# Altium PCB STM32H743XIH6_SOM_Bd.PcbDoc (part 1 of 3) (continued)
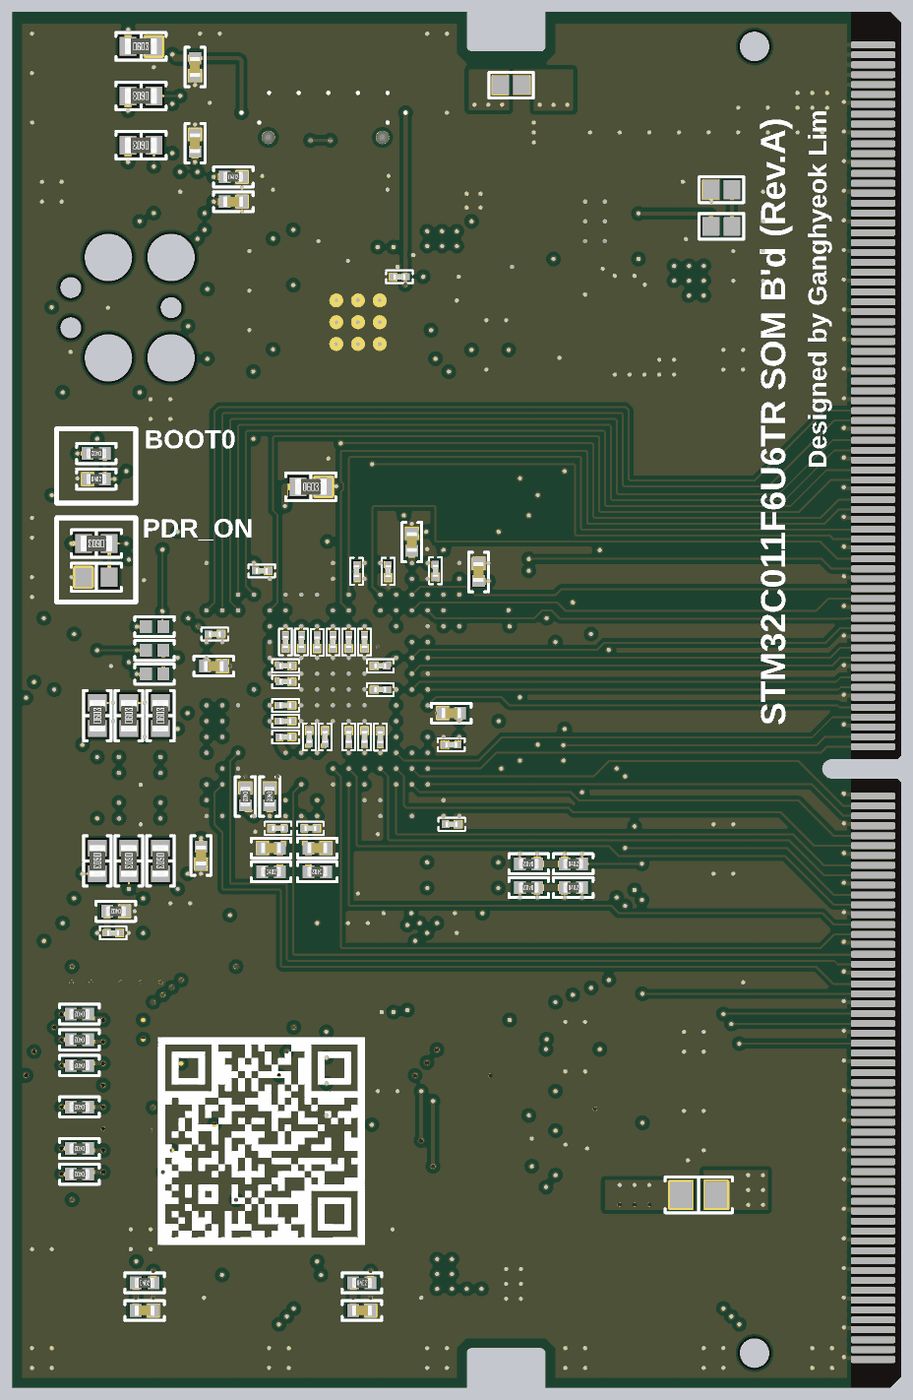
[diagram p11: 3D render of the assembled board from below, using the file's embedded part models]

## Layer stack, top to bottom
Top Mask: solder mask 0.015, Solder Resist, Dk 3.8
L1 (Sig): signal copper 0.035
Dielectric 1: prepreg 0.0994, 3313, Dk 4.1
L2 (GND): signal copper 0.0152
Core 1: core 0.2, FR-4, Dk 4.6
L3 (PWR): signal copper 0.0152
Dielectric 2: prepreg 0.1088, 2116, Dk 4.16
L4 (Sig): signal copper 0.0152
Core 2: core 0.2, FR-4, Dk 4.6
L5 (GND): signal copper 0.0152
Dielectric 3: prepreg 0.1088, 2116, Dk 4.16
L6 (Sig): signal copper 0.0152
Core 3: core 0.2, FR-4, Dk 4.6
L7 (GND): signal copper 0.0152
Dielectric 4: prepreg 0.0994, 3313, Dk 4.1
L8 (Sig): signal copper 0.035
Bottom Mask: solder mask 0.015, Solder Resist, Dk 3.8

## Board outline
0,0.55 0.55,0 18,0 18,1.755 cw(c18.25,1.755) 18.25,2.005 21.75,2.005 cw(c21.75,1.755) 22,1.755 22,0 45,0 45,69.6 22,69.6 22,67.85 cw(c21.75,67.85) 21.75,67.6 18.25,67.6 cw(c18.25,67.85) 18,67.85 18,69.6 0.55,69.6 0,69.05 0,31.975 0.175,31.8 3.5,31.8 cw(c3.5,31.3) 3.5,30.8 0.175,30.8 0,30.625

## Design rules (kind name [scope] priority, off if disabled: settings)
BoardOutlineClearance [All] p1: gap=0.2 ignorepadtopadclearanceinfootprint=FALSE except(0.4: Arc-SplitBarrior Arc-SplitContinuation Track-SplitBarrior Track-SplitContinuation SMDPad-SplitBarrior SMDPad-SplitContinuation THPad-SplitBarrior THPad-SplitContinuation Via-SplitBarrior Via-SplitContinuation Fill-SplitBarrior Fill-SplitContinuation Poly-SplitBarrior Poly-SplitContinuation Region-SplitBarrior Region-SplitContinuation Text-SplitBarrior Text-SplitContinuation)
Clearance "Clearance Bottom Layer" [OnLayer('Bottom Layer')] p1: gap=0.203 ignorepadtopadclearanceinfootprint=TRUE except(0.254: Arc-Text Track-Text SMDPad-Text THPad-Text Via-Text Fill-Text Poly-Text Region-Text Text-Text)
Clearance "Clearance Top Layer" [OnLayer('Top Layer')] p2: gap=0.203 ignorepadtopadclearanceinfootprint=TRUE except(0.254: Arc-Text Track-Text SMDPad-Text THPad-Text Via-Text Fill-Text Poly-Text Region-Text Text-Text)
Clearance [All] p3: gap=0.2 ignorepadtopadclearanceinfootprint=FALSE except(0.089: Arc-Arc Arc-Track Arc-SMDPad Track-Track Track-SMDPad SMDPad-SMDPad; 0.127: Arc-Via Track-Via SMDPad-Via THPad-Via Via-Via; 0.254: Arc-Text Track-Text SMDPad-Text THPad-Text Via-Text Fill-Text Poly-Text Region-Text Text-Text)
ComponentClearance [InComponent('CN700')] p1: gap=0.254 collisioncheckmode=3 verticalgap=0.254 showdistances=FALSE donotcheckwithout3dbody=TRUE
DiffPairsRouting DIFF90 [InDifferentialPair('USB_D')] p1: maxlimit=0.5 minlimit=0.09 mostfreqgap=0.35 toplayer_minwidth=0.089 toplayer_maxwidth=0.5 toplayer_prefwidth=0.14 midlayer1_minwidth=0.089 midlayer1_maxwidth=0.5 midlayer1_prefwidth=0.14 midlayer2_minwidth=0.089 midlayer2_maxwidth=0.5 midlayer2_prefwidth=0.14 midlayer3_minwidth=0.089 midlayer3_maxwidth=0.5 midlayer3_prefwidth=0.14 midlayer4_minwidth=0.089 midlayer4_maxwidth=0.5 midlayer4_prefwidth=0.14 midlayer5_minwidth=0.089 midlayer5_maxwidth=0.5 midlayer5_prefwidth=0.14 midlayer6_minwidth=0.089 midlayer6_maxwidth=0.5 midlayer6_prefwidth=0.14 bottomlayer_minwidth=0.089 bottomlayer_maxwidth=0.5 bottomlayer_prefwidth=0.14 maxuncoupledlength=12.7
HoleSize [All] p1: absolutevalues=TRUE maxlimit=6.3 minlimit=0.2 maxpercent=80.000 minpercent=20.000
MinimumAnnularRing [All] p1: minimumring=0.076
MinimumSolderMaskSliver [All] p1: minsoldermaskwidth=0.1
PolygonConnect LDO2_VOUT [InNet('LDO2_VOUT')] p1: connectstyle=Direct reliefconductorwidth=0.254 reliefentries=4 polygonreliefangle="90 Angle" airgapwidth=0.254
PolygonConnect LDO2_VIN [InNet('LDO2_VIN')] p2: connectstyle=Direct reliefconductorwidth=0.254 reliefentries=4 polygonreliefangle="90 Angle" airgapwidth=0.254
PolygonConnect DP3.3VS [InNet('DP3.3VS')] p3: connectstyle=Direct reliefconductorwidth=0.254 reliefentries=4 polygonreliefangle="90 Angle" airgapwidth=0.254
PolygonConnect DGND [InNet('DGND')] p4: connectstyle=Direct reliefconductorwidth=0.254 reliefentries=4 polygonreliefangle="90 Angle" airgapwidth=0.254
PolygonConnect LDO1_VOUT [InNet('LDO1_VOUT')] p5: connectstyle=Direct reliefconductorwidth=0.254 reliefentries=4 polygonreliefangle="90 Angle" airgapwidth=0.254
PolygonConnect LDO1_VIN [InNet('LDO1_VIN')] p6: connectstyle=Direct reliefconductorwidth=0.254 reliefentries=4 polygonreliefangle="90 Angle" airgapwidth=0.254
PolygonConnect DP5VS [InNet('DP5VS')] p7: connectstyle=Direct reliefconductorwidth=0.254 reliefentries=4 polygonreliefangle="90 Angle" airgapwidth=0.254
PolygonConnect EXT_P5VS [InNet('EXT_P5VS')] p8: connectstyle=Direct reliefconductorwidth=0.254 reliefentries=4 polygonreliefangle="90 Angle" airgapwidth=0.254
PolygonConnect P5VS_IN [InNet('P5VS_IN')] p9: connectstyle=Direct reliefconductorwidth=0.254 reliefentries=4 polygonreliefangle="90 Angle" airgapwidth=0.254
PolygonConnect PolygonConnect_Default [All] p10: thpad.connectstyle=Relief thpad.reliefconductorwidth=0.508 thpad.reliefentries=4 thpad.polygonreliefangle="90 Angle" thpad.airgapwidth=0.254 smdpad.connectstyle=Relief smdpad.reliefconductorwidth=0.508 smdpad.reliefentries=4 smdpad.polygonreliefangle="90 Angle" smdpad.airgapwidth=0.254 via.connectstyle=Direct via.reliefconductorwidth=0.508 via.reliefentries=4 via.polygonreliefangle="90 Angle" via.airgapwidth=0.254
RoutingCorners [All] p1: cornerstyle=Round minsetback=2.54 maxsetback=2.54
RoutingVias [All] p1: holewidth=0.2 width=0.35 viastyle="Through Hole" minholewidth=0.2 minwidth=0.25 maxholewidth=1 maxwidth=2
SilkToSilkClearance [All] p1: silktosilkclearance=0.1
SilkToSolderMaskClearance [IsPad] p1: minsilkscreentomaskgap=0.1 clearancetoexposedcopper=TRUE
SolderMaskExpansion [All] p1: expansion=0.102 istentingtop=FALSE
Width [All] p1: maxlimit=2.54 minlimit=0.089 preferedwidth=0.2
23 further rules are at their usual default settings.

## Classes and differential pairs
differential pair class DIFF90: USB_D
component class 07_Connector: C700 C701 C702 C703 CN700 R700 R701 R702 R703
component class 06_MCU_Part3: C600 C601 C602 C603 C604 C605 C606 C607 C608 C609 C610 C611 C612 C613 C614 C615 C616 C617 C618 C619 C620 C621 C622 C623 C624 C625 C626 C627 C628 C629 C630 C631 C632 C633 C634 C635 CN600 R600 R601 R602 R603 R604 R605 R606 R607 R608 R609 R610 R611 R612 R613 R614 R615 U601 ZD600
component class 05_MCU-Part2: C500 C501 C502 C503 C504 C505 CN500 LED500 LED501 LED502 R500 R501 R502 R503 R504 R505 R506 R507 R508 U501
component class 04_MCU-Part1: C400 C401 C402 C403 C404 C405 CN400 LED400 LED401 R400 R401 R402 R403 R404 R405 R406 R407 R408 R409 R410 R411 R412 R413 R414 R415 R416 SW400 SW401 U400 U401 X400 X401
component class 03_Power: C300 C301 C302 C303 C304 C305 C306 C307 C308 C309 C310 C311 C312 C313 C314 D300 LED300 R300 R301 R302 R303 R304 R305 R306 R307 SB300 SB301 SB302 U300 U301 U302
differential pair USB_D: +USB_D_P -USB_D_N

## Components (designator, comment, footprint, x,y, rotation, side; value= is the part's Value field where it differs from the comment)
C300 "22uF/25V/2012" "CAP 2012 (0805_INCH)" 20.45,63.5 r0 top
C301 "22uF/25V/2012" "CAP 2012 (0805_INCH)" 19.55,60 r180 top
C302 "10uF/10V/1608" "CAP 1608 (0603_INCH)" 24.25,8 r180 top
C303 "100nF/50V/1608" "CAP 1608 (0603_INCH)" 18.9,7.7 r90 top
C304 "100nF/50V/1608" "CAP 1608 (0603_INCH)" 12.1,11.5 r0 top
C305 "10uF/10V/1608" "CAP 1608 (0603_INCH)" 15.2,11.475 r180 top
C306 "100nF/16V/1005" "CAP 1005 (0402_INCH)" 11.05,60 r270 top
C307 "100nF/16V/1005" "CAP 1005 (0402_INCH)" 19.7,57.14 r90 top
C308 "100nF/16V/1005" "CAP 1005 (0402_INCH)" 16.163,56.64 r0 top
C309 "1uF/25V/1005" "CAP 1005 (0402_INCH)" 16.8,52.5 r90 top
C310 "1uF/25V/1005" "CAP 1005 (0402_INCH)" 16.8,54.8 r270 top
C311 "100nF/16V/1005" "CAP 1005 (0402_INCH)" 14.9,52 r0 top
C312 "100nF/16V/1005" "CAP 1005 (0402_INCH)" 14.86,55.3 r180 top
C313 "1uF/25V/1005" "CAP 1005 (0402_INCH)" 13,54.8 r270 top
C314 "1uF/25V/1005" "CAP 1005 (0402_INCH)" 13,52.5 r90 top
C400 "100nF/25V/0603" "CAP 0603 (0201_INCH)" 25.507,24.007 r0 top
C401 "100nF/25V/0603" "CAP 0603 (0201_INCH)" 21.867,24.007 r0 top
C402 "100nF/16V/1005" "CAP 1005 (0402_INCH)" 27.3,3.9 r0 bottom
C403 "100nF/16V/1005" "CAP 1005 (0402_INCH)" 38.3,3.9 r0 bottom
C404 "4.7uF/10V/1005" "CAP 1005 (0402_INCH)" 35.45,26.92 r90 bottom
C405 "100nF/25V/0603" "CAP 0603 (0201_INCH)" 26,18.6 r0 top
C500 "100nF/16V/1005" "CAP 1005 (0402_INCH)" 33.81,60 r0 bottom
C501 "4.7uF/10V/1005" "CAP 1005 (0402_INCH)" 35.75,66.81 r90 bottom
C502 "100nF/25V/0603" "CAP 0603 (0201_INCH)" 25.4,56.2 r0 bottom
C503 "4.7uF/10V/1005" "CAP 1005 (0402_INCH)" 35.75,62.96 r270 bottom
C504 "1uF/25V/1005" "CAP 1005 (0402_INCH)" 23.308,56.2 r180 top
C505 "100nF/25V/0603" "CAP 0603 (0201_INCH)" 25.39,57.3 r0 top
C600 "1uF/25V/1005" "CAP 1005 (0402_INCH)" 17.5,11.76 r90 top
C601 "100nF/25V/0603" "CAP 0603 (0201_INCH)" 18.7,11.9 r270 top
C602 "100nF/25V/0603" "CAP 0603 (0201_INCH)" 39.89,23 r180 bottom
C603 "100nF/25V/0603" "CAP 0603 (0201_INCH)" 27.575,41.3 r90 bottom
C604 "100nF/25V/0603" "CAP 0603 (0201_INCH)" 25.975,41.3 r90 bottom
C605 "4.7uF/10V/1005" "CAP 1005 (0402_INCH)" 21.4,41.26 r270 bottom
C606 "100nF/25V/0603" "CAP 0603 (0201_INCH)" 26.368,35.318 r180 bottom
C607 "100nF/25V/0603" "CAP 0603 (0201_INCH)" 26.368,36.518 r180 bottom
C608 "100nF/25V/0603" "CAP 0603 (0201_INCH)" 27.168,37.718 r90 bottom
C609 "100nF/25V/0603" "CAP 0603 (0201_INCH)" 26.368,32.908 r270 bottom
C610 "100nF/25V/0603" "CAP 0603 (0201_INCH)" 27.168,32.918 r270 bottom
C611 "100nF/25V/0603" "CAP 0603 (0201_INCH)" 27.968,32.918 r270 bottom
C612 "100nF/25V/0603" "CAP 0603 (0201_INCH)" 31.168,37.718 r90 bottom
C613 "100nF/25V/0603" "CAP 0603 (0201_INCH)" 29.568,37.708 r90 bottom
C614 "100nF/25V/0603" "CAP 0603 (0201_INCH)" 30.368,37.718 r90 bottom
C615 "100nF/25V/0603" "CAP 0603 (0201_INCH)" 28.768,37.718 r90 bottom
C616 "100nF/25V/0603" "CAP 0603 (0201_INCH)" 27.968,37.718 r90 bottom
C617 "2.2uF/6.3V/1005" "CAP 1005 (0402_INCH)" 22.775,34.125 r0 bottom
C618 "2.2uF/6.3V/1005" "CAP 1005 (0402_INCH)" 24.775,42.775 r90 bottom
C619 "2.2uF/6.3V/1005" "CAP 1005 (0402_INCH)" 34.8,36.5 r180 bottom
C620 "1uF/25V/1005" "CAP 1005 (0402_INCH)" 29.56,27.3 r180 bottom
C621 "100nF/25V/0603" "CAP 0603 (0201_INCH)" 29.91,28.3 r0 bottom
C622 "100nF/25V/0603" "CAP 0603 (0201_INCH)" 31.168,35.718 r0 bottom
C623 "100nF/25V/0603" "CAP 0603 (0201_INCH)" 31.168,36.518 r0 bottom
C624 "100nF/25V/0603" "CAP 0603 (0201_INCH)" 31.168,34.518 r0 bottom
C625 "100nF/25V/0603" "CAP 0603 (0201_INCH)" 31.168,33.718 r0 bottom
C626 "100nF/25V/0603" "CAP 0603 (0201_INCH)" 31.168,32.918 r0 bottom
C627 "100nF/25V/0603" "CAP 0603 (0201_INCH)" 32.368,41.318 r0 bottom
C628 "100nF/25V/0603" "CAP 0603 (0201_INCH)" 22.775,32.525 r180 bottom
C629 "100nF/25V/0603" "CAP 0603 (0201_INCH)" 29.968,32.928 r270 bottom
C630 "100nF/25V/0603" "CAP 0603 (0201_INCH)" 29.168,32.918 r270 bottom
C631 "100nF/25V/0603" "CAP 0603 (0201_INCH)" 22.75,28.5 r0 bottom
C632 "100nF/25V/0603" "CAP 0603 (0201_INCH)" 23.575,41.325 r90 bottom
C633 "100nF/25V/0603" "CAP 0603 (0201_INCH)" 34.75,38.125 r0 bottom
C634 "1uF/25V/1005" "CAP 1005 (0402_INCH)" 31.9,27.3 r0 bottom
C635 "100nF/25V/0603" "CAP 0603 (0201_INCH)" 31.55,28.3 r180 bottom
C700 "22uF/25V/2012" "CAP 2012 (0805_INCH)" 9.75,65.2 r90 top
C701 "22uF/25V/2012" "CAP 2012 (0805_INCH)" 12,65.2 r90 top
C702 "100nF/50V/1608" "CAP 1608 (0603_INCH)" 15.75,65.5 r90 top
C703 "10uF/25V/1608" "CAP 1608 (0603_INCH)" 14,65.5 r90 top
CN400 "TC2030-IDC" CON_TC2030-FP 39.5,54.635 r0 top locked
CN500 "MC-311S" "CON USB-Type-C (16P)" 29.15,64.7 r180 top locked
CN600 "TF-102-15" CON_MICRO-SD_Socket_TF-102-15 37.825,15.4 r90 top locked
CN700 "EDGE-CONNECTOR_SODIMM-260P" CON_EDGE-CONNECTOR_DDR4-SODIMM-260P 1.425,68.175 r270 top locked
D300 "B5819W" DIO_SOD-123 19.75,65.884 r0 top
LED300 "GREEN/2012" "LED MHT170RGBCT (GREEN)" 30.1,43.7 r0 top
LED400 "RGB/2012" "LED MHT170RGBCT" 38.55,31.5 r0 top locked
LED401 "RGB/2012" "LED MHT170RGBCT" 38.55,29.2 r0 top locked
LED500 "GREEN/2012" "LED MHT170RGBCT (GREEN)" 38.7,67.85 r0 top
LED501 "BLUE/2012" "LED MHT170RGBCT (BLUE)" 38.7,62.85 r0 top
LED502 "BLUE/2012" "LED MHT170RGBCT (BLUE)" 38.7,65.35 r0 top
R300 "100K/1005" "RES 1005 (0402_inch)" 18.358,57.14 r270 top value=100K
R301 "10K/1005" "RES 1005 (0402_inch)" 12.35,60 r90 top value=10K
R302 "4.7K/1005" "RES 1005 (0402_inch)" 11.858,58.083 r0 top value=4.7K
R303 "0R/1608" "RES 1608 (0603_inch)" 18.4,54.53 r270 top value=0R
R304 "0R/1608" "RES 1608 (0603_inch)" 11.4,54.53 r90 top value=0R
R305 "680R/1608" "RES 1608 (0603_inch)" 29.888,45.575 r180 bottom value=680R
R306 "0R/2012" "RES 2012 (0805_inch)" 21.5,7 r90 top value=0R
R307 "0R/2012/NC" "RES 2012 (0805_INCH)/NC" 10.25,9.75 r180 bottom value=0R
R400 "0R/1005" "RES 1005 (0402_inch)" 28.05,26.3 r90 top value=0R
R401 "10K/1005" "RES 1005 (0402_inch)" 40.75,47.258 r0 bottom value=10K
R402 "0R/1005" "RES 1005 (0402_inch)" 20.783,28.6 r90 top value=0R
R403 "0R/1005" "RES 1005 (0402_inch)" 40.75,45.966 r180 bottom value=0R
R404 "10K/1608" "RES 1608 (0603_inch)" 40.75,42.7 r0 bottom value=10K
R405 "0R/1608/NC" "RES 1608 (0603_inch)/NC" 40.75,41 r0 bottom value=0R
R406 "100K/1005" "RES 1005 (0402_inch)" 27.3,5.3 r180 bottom value=100K
R407 "100K/1005" "RES 1005 (0402_inch)" 38.3,5.3 r180 bottom value=100K
R408 "470R/1608" "RES 1608 (0603_inch)" 39.1,34 r90 bottom value=470R
R409 "470R/1608" "RES 1608 (0603_inch)" 40.7,34 r90 bottom value=470R
R410 "470R/1608" "RES 1608 (0603_inch)" 37.5,34 r90 bottom value=470R
R411 "4.7K/1005" "RES 1005 (0402_inch)" 28.21,16.7 r0 top value=4.7K
R412 "4.7K/1005" "RES 1005 (0402_inch)" 28.21,15.4 r0 top value=4.7K
R413 "4.7K/1005" "RES 1005 (0402_inch)" 28.21,18 r0 top value=4.7K
R414 "470R/1608" "RES 1608 (0603_inch)" 40.7,26.65 r270 bottom value=470R
R415 "470R/1608" "RES 1608 (0603_inch)" 39.1,26.65 r270 bottom value=470R
R416 "470R/1608" "RES 1608 (0603_inch)" 37.5,26.65 r270 bottom value=470R
R500 "5.1K/1005" "RES 1005 (0402_inch)" 26.96,60.6 r0 top value=5.1K
R501 "5.1K/1005" "RES 1005 (0402_inch)" 30.84,60.6 r180 top value=5.1K
R502 "1M/1005" "RES 1005 (0402_inch)" 33.81,61.25 r180 bottom value=1M
R503 "1K/1608" "RES 1608 (0603_inch)" 38.488,67.85 r180 bottom value=1K
R504 "4.7K/1005" "RES 1005 (0402_inch)" 23.8,54.46 r90 top value=4.7K
R505 "680R/1608" "RES 1608 (0603_inch)" 38.488,62.85 r0 bottom value=680R
R506 "680R/1608" "RES 1608 (0603_inch)" 38.488,65.35 r0 bottom value=680R
R507 "0R/1005" "RES 1005 (0402_inch)" 31.3,55.34 r90 top value=0R
R508 "0R/1005" "RES 1005 (0402_inch)" 31.3,52.96 r270 top value=0R
R600 "120R/1005" "RES 1005 (0402_inch)" 17.5,14 r90 top value=120R
R601 "10K/1005" "RES 1005 (0402_inch)" 28.21,13.77 r180 top value=10K
R602 "0R/1005/NC" "RES 1005 (0402_inch)/NC" 37.8,37.3 r180 bottom value=0R
R603 "0R/1005" "RES 1005 (0402_inch)" 29.56,26.1 r0 bottom value=0R
R604 "0R/1005" "RES 1005 (0402_inch)" 31.9,26.1 r180 bottom value=0R
R605 "10K/1005" "RES 1005 (0402_inch)" 41.6,17.6 r0 bottom value=10K
R606 "10K/1005" "RES 1005 (0402_inch)" 41.6,18.9 r0 bottom value=10K
R607 "10K/1005" "RES 1005 (0402_inch)" 41.6,10.8 r0 bottom value=10K
R608 "10K/1005" "RES 1005 (0402_inch)" 41.6,12.1 r0 bottom value=10K
R609 "10K/1005" "RES 1005 (0402_inch)" 41.6,16.3 r0 bottom value=10K
R610 "10K/1005" "RES 1005 (0402_inch)" 41.6,14.2 r0 bottom value=10K
R611 "0R/1005/NC" "RES 1005 (0402_inch)/NC" 37.8,38.5 r180 bottom value=0R
R612 "0R/1005/NC" "RES 1005 (0402_inch)/NC" 37.8,36.1 r180 bottom value=0R
R613 "0R/1005" "RES 1005 (0402_inch)" 33.2,29.9 r270 bottom value=0R
R614 "0R/1005" "RES 1005 (0402_inch)" 31.968,29.9 r270 bottom value=0R
R615 "1M/1005" "RES 1005 (0402_inch)" 39.76,24.1 r0 bottom value=1M
R700 "4.7K/1005" "RES 1005 (0402_inch)" 18.86,25.3 r0 bottom value=4.7K
R701 "4.7K/1005" "RES 1005 (0402_inch)" 16.6,26.5 r180 bottom value=4.7K
R702 "4.7K/1005" "RES 1005 (0402_inch)" 18.86,26.5 r0 bottom value=4.7K
R703 "4.7K/1005" "RES 1005 (0402_inch)" 16.6,25.3 r180 bottom value=4.7K
SB300 "SB" "SB (Solder-Bridge)" 9.1,58.75 r0 bottom
SB301 "SB" "SB (Solder-Bridge)" 9.1,60.6 r0 bottom
SB302 "SB" "SB (Solder-Bridge)" 19.75,65.884 r0 bottom
SW400 "TS-1088-AR02016" SW_TS-1088-AR02016 27.3,4.55 r180 top
SW401 "TS-1088-AR02016" SW_TS-1088-AR02016 38.3,4.55 r180 top
U300 "LS1205EVD33" IC_DFN_3x3_10L 15.5,59.2 r0 top
U301 "AMS1117-3.3" "SOT 223-3 (DIODES INCORPORATED)" 13.675,6.775 r180 top
U302 "MIC5528-3.3YMT-TR" IC_TDFN-6 14.9,53.6 r0 top
U400 "STM32H743XIH6" "IC TFBGA-265" 28.768,35.318 r90 top locked
U401 "AT24C16" "TSSOP-8_PW (TI)" 22.75,16.77 r0 top locked
U501 "CP2102-GMR" "QFN-28 (5x5mm)" 27.5,53.9 r270 top locked
U601 "SN65HVD230DR" "SOIC-8 R8 (ANALOG DEV)" 22.78,11.865 r0 top
X400 "S2D12.000000B20F30T(12MHz)" "OSC SMD_2.5x2.0 (SCTF)" 25.55,25.925 r0 top locked
X401 "S2D32.768KB20F30T(32.768kHz)" "OSC SMD_2.5x2.0 (SCTF)" 21.9,25.925 r0 top locked
ZD600 "NUP2105L" "SOT 23-3 (DIODES INCORPORATED)" 15.1,14.1 r0 top

## Footprints (in the part's own frame and the unit in brackets; to place one, negate y for a bottom-side part, rotate by r counter-clockwise, add the part's x,y. Pads: shape width x height; smd on the part's side, far side on the other; paste and mask are expansions set on the pad)
"CAP 0603 (0201_INCH)" [mm] "Chip Capacitor, 2-Leads, Body 0.60x0.30mm, IPC Medium Density"
  rect 0.4x0.35 smd mask+0.04: 1(-0.31,0) 2(0.31,0)
  silkscreen extent -0.67,-0.33 0.67,0.33, body extent -0.3,-0.15 0.3,0.15, height 0.3
"CAP 1005 (0402_INCH)" [mm] "Chip Capacitor, 2-Leads, Body 1.02x0.51mm, IPC Medium Density"
  rect 0.6x0.64 smd mask+0.04: 1(-0.44,0) 2(0.44,0)
  silkscreen extent -1,-0.5 1,0.5, body extent -0.5,-0.26 0.5,0.26, height 0.52
"CAP 1608 (0603_INCH)" [mm] "Chip Capacitor, 2-Leads, Body 1.60x0.80mm, IPC Medium Density"
  rect 0.9x1 smd mask+0.04: 1(-0.675,0) 2(0.675,0)
  silkscreen extent -1.4,-0.7 1.4,0.7, body extent -0.8,-0.41 0.8,0.41, height 0.82
"CAP 2012 (0805_INCH)" [mm] "Chip Capacitor, 2-Leads, Body 2.00x1.20mm, IPC Medium Density"
  rect 1.3x1.4 smd mask+0.04: 1(-0.8,0) 2(0.8,0)
  silkscreen extent -1.7,-0.9 1.7,0.9, body extent -1,-0.64 1,0.64, height 1.26
"CON USB-Type-C (16P)" [mm] "USB 2.0 5A 1 Surface Mount 16 Female -35℃~+75℃ Type-C SMD  USB Connectors ROHS"
  round 0 hole 0.65: 0(-2.89,1.45) 0(2.89,1.45)
  rect 0.6x1.15 smd mask+0.03: A1(-3.2,2.6) A4(-2.4,2.6) B1(3.2,2.6) B4(2.4,2.6)
  rect 0.3x1.15 smd mask+0.03: A5(-1.25,2.6) A6(-0.25,2.6) A7(0.25,2.6) A8(1.25,2.6) B5(1.75,2.6) B6(0.75,2.6) B7(-0.75,2.6) B8(-1.75,2.6)
  rect 2.18x2 smd mask+0.03: S1(-5.11,1.95) S2(-5.11,-1.95) S3(5.11,-1.95) S4(5.11,1.95)
  silkscreen extent -4.5,-4.8 4.5,0.7, body extent -5.65,-4.83 5.65,2.87, height 3.26
CON_EDGE-CONNECTOR_DDR4-SODIMM-260P [mm]
  rrect50% 0.35x2.25 smd mask+0: 1(0,0) 3(0.5,0) 5(1,0) 7(1.5,0) 9(2,0) 11(2.5,0) 13(3,0) 15(3.5,0) 17(4,0) 19(4.5,0) 21(5,0) 23(5.5,0) 25(6,0) 27(6.5,0) 29(7,0) 31(7.5,0) 33(8,0) 35(8.5,0) 37(9,0) 39(9.5,0) 41(10,0) 43(10.5,0) 45(11,0) 47(11.5,0) 49(12,0) 51(12.5,0) 53(13,0) 55(13.5,0) 57(14,0) 59(14.5,0) 61(15,0) 63(15.5,0) 65(16,0) 67(16.5,0) 69(17,0) 71(17.5,0) 73(18,0) 75(18.5,0) 77(19,0) 79(19.5,0) 81(20,0) 83(20.5,0) 85(21,0) 87(21.5,0) 89(22,0) 91(22.5,0) 93(23,0) 95(23.5,0) 97(24,0) 99(24.5,0) 101(25,0) 103(25.5,0) 105(26,0) 107(26.5,0) 109(27,0) 111(27.5,0) 113(28,0) 115(28.5,0) 117(29,0) 119(29.5,0) 121(30,0) 123(30.5,0) 125(31,0) 127(31.5,0) 129(32,0) 131(32.5,0) 133(33,0) 135(33.5,0) 137(34,0) 139(34.5,0) 141(35,0) 143(35.5,0) 145(38,0) 147(38.5,0) 149(39,0) 151(39.5,0) 153(40,0) 155(40.5,0) 157(41,0) 159(41.5,0) 161(42,0) 163(42.5,0) 165(43,0) 167(43.5,0) 169(44,0) 171(44.5,0) 173(45,0) 175(45.5,0) 177(46,0) 179(46.5,0) 181(47,0) 183(47.5,0) 185(48,0) 187(48.5,0) 189(49,0) 191(49.5,0) 193(50,0) 195(50.5,0) 197(51,0) 199(51.5,0) 201(52,0) 203(52.5,0) 205(53,0) 207(53.5,0) 209(54,0) 211(54.5,0) 213(55,0) 215(55.5,0) 217(56,0) 219(56.5,0) 221(57,0) 223(57.5,0) 225(58,0) 227(58.5,0) 229(59,0) 231(59.5,0) 233(60,0) 235(60.5,0) 237(61,0) 239(61.5,0) 241(62,0) 243(62.5,0) 245(63,0) 247(63.5,0) 249(64,0) 251(64.5,0) 253(65,0) 255(65.5,0) 257(66,0) 259(66.5,0)
  rrect50% 0.35x2.25 smd far side mask+0: 2(0.25,0) 4(0.75,0) 6(1.25,0) 8(1.75,0) 10(2.25,0) 12(2.75,0) 14(3.25,0) 16(3.75,0) 18(4.25,0) 20(4.75,0) 22(5.25,0) 24(5.75,0) 26(6.25,0) 28(6.75,0) 30(7.25,0) 32(7.75,0) 34(8.25,0) 36(8.75,0) 38(9.25,0) 40(9.75,0) 42(10.25,0) 44(10.75,0) 46(11.25,0) 48(11.75,0) 50(12.25,0) 52(12.75,0) 54(13.25,0) 56(13.75,0) 58(14.25,0) 60(14.75,0) 62(15.25,0) 64(15.75,0) 66(16.25,0) 68(16.75,0) 70(17.25,0) 72(17.75,0) 74(18.25,0) 76(18.75,0) 78(19.25,0) 80(19.75,0) 82(20.25,0) 84(20.75,0) 86(21.25,0) 88(21.75,0) 90(22.25,0) 92(22.75,0) 94(23.25,0) 96(23.75,0) 98(24.25,0) 100(24.75,0) 102(25.25,0) 104(25.75,0) 106(26.25,0) 108(26.75,0) 110(27.25,0) 112(27.75,0) 114(28.25,0) 116(28.75,0) 118(29.25,0) 120(29.75,0) 122(30.25,0) 124(30.75,0) 126(31.25,0) 128(31.75,0) 130(32.25,0) 132(32.75,0) 134(33.25,0) 136(33.75,0) 138(34.25,0) 140(34.75,0) 142(35.25,0) 144(35.75,0) 146(38.25,0) 148(38.75,0) 150(39.25,0) 152(39.75,0) 154(40.25,0) 156(40.75,0) 158(41.25,0) 160(41.75,0) 162(42.25,0) 164(42.75,0) 166(43.25,0) 168(43.75,0) 170(44.25,0) 172(44.75,0) 174(45.25,0) 176(45.75,0) 178(46.25,0) 180(46.75,0) 182(47.25,0) 184(47.75,0) 186(48.25,0) 188(48.75,0) 190(49.25,0) 192(49.75,0) 194(50.25,0) 196(50.75,0) 198(51.25,0) 200(51.75,0) 202(52.25,0) 204(52.75,0) 206(53.25,0) 208(53.75,0) 210(54.25,0) 212(54.75,0) 214(55.25,0) 216(55.75,0) 218(56.25,0) 220(56.75,0) 222(57.25,0) 224(57.75,0) 226(58.25,0) 228(58.75,0) 230(59.25,0) 232(59.75,0) 234(60.25,0) 236(60.75,0) 238(61.25,0) 240(61.75,0) 242(62.25,0) 244(62.75,0) 246(63.25,0) 248(63.75,0) 250(64.25,0) 252(64.75,0) 254(65.25,0) 256(65.75,0) 258(66.25,0) 260(66.75,0)
  round 1.5 hole 1.5 unplated: MH(0.325,6) MH(66.425,6)
CON_MICRO-SD_Socket_TF-102-15 [mm] "-25℃~+85℃ 1.6mm Gold Deck MicroSD card (TF card) 260℃ Phosphor coppe Clamshell SMD  SD Card Connectors ROHS"
  rect 0.8x1.524 smd mask+0.038: 1(3.2,-1.55) 2(2.1,-1.55) 3(1,-1.55) 4(-0.1,-1.55) 5(-1.2,-1.55) 6(-2.3,-1.55) 7(-3.4,-1.55) 8(-4.5,-1.55)
  rect 1.5x2 smd mask+0.038: 9(-6.875,4.15) 10(-6.875,-4.15) 11(6.875,4.15) 12(6.875,-4.15)
  silkscreen extent -6.78,-5.5 6.78,7.9, body extent -7.25,-7.17 7.25,8, height 1.83
CON_TC2030-FP [mm]
  round 0.863 smd paste-0.432: 1(-1.27,-0.635) 2(-1.27,0.635) 3(0,-0.635) 4(0,0.635) 5(1.27,-0.635) 6(1.27,0.635)
  round 2.4 hole 2.4 unplated: MH(-2.54,-2.54) MH(-2.54,2.54) MH(0.635,-2.54) MH(0.635,2.54)
  round 1.067 hole 1.067 unplated: MH(-2.54,0) MH(2.54,-1.016) MH(2.54,1.016)
  silkscreen extent -4.5,-2.5 3.5,2.5
DIO_SOD-123 [mm]
  rect 0.8x1.2 smd mask+0.038: 1(-1.62,0) 2(1.62,0)
  silkscreen extent -2.41,-1.02 2.41,1.02, body extent -1.75,-0.8 1.75,0.8, height 1.1
"IC TFBGA-265" [mm] "TFBGA-265_14x14mm"
  round 0.325 smd mask+0.038: A1(-6.4,6.4) A2(-5.6,6.4) A3(-4.8,6.4) A4(-4,6.4) A5(-3.2,6.4) A6(-2.4,6.4) A7(-1.6,6.4) A8(-0.8,6.4) A9(0,6.4) A10(0.8,6.4) A11(1.6,6.4) A12(2.4,6.4) A13(3.2,6.4) A14(4,6.4) A15(4.8,6.4) A16(5.6,6.4) A17(6.4,6.4) B1(-6.4,5.6) B2(-5.6,5.6) B3(-4.8,5.6) B4(-4,5.6) B5(-3.2,5.6) B6(-2.4,5.6) B7(-1.6,5.6) B8(-0.8,5.6) B9(0,5.6) B10(0.8,5.6) B11(1.6,5.6) B12(2.4,5.6) B13(3.2,5.6) B14(4,5.6) B15(4.8,5.6) B16(5.6,5.6) B17(6.4,5.6) C1(-6.4,4.8) C2(-5.6,4.8) C3(-4.8,4.8) C4(-4,4.8) C5(-3.2,4.8) C6(-2.4,4.8) C7(-1.6,4.8) C8(-0.8,4.8) C9(0,4.8) C10(0.8,4.8) C11(1.6,4.8) C12(2.4,4.8) C13(3.2,4.8) C14(4,4.8) C15(4.8,4.8) C16(5.6,4.8) C17(6.4,4.8) D1(-6.4,4) D2(-5.6,4) D3(-4.8,4) D4(-4,4) D5(-3.2,4) D6(-2.4,4) D7(-1.6,4) D8(-0.8,4) D9(0,4) D10(0.8,4) D11(1.6,4) D12(2.4,4) D13(3.2,4) D14(4,4) D15(4.8,4) D16(5.6,4) D17(6.4,4) E1(-6.4,3.2) E2(-5.6,3.2) E3(-4.8,3.2) E4(-4,3.2) E5(-3.2,3.2) E6(-2.4,3.2) E7(-1.6,3.2) E8(-0.8,3.2) E9(0,3.2) E10(0.8,3.2) E11(1.6,3.2) E12(2.4,3.2) E13(3.2,3.2) E14(4,3.2) E15(4.8,3.2) E16(5.6,3.2) E17(6.4,3.2) F1(-6.4,2.4) F2(-5.6,2.4) F3(-4.8,2.4) F4(-4,2.4) F5(-3.2,2.4) F13(3.2,2.4) F14(4,2.4) F15(4.8,2.4) F16(5.6,2.4) F17(6.4,2.4) G1(-6.4,1.6) G2(-5.6,1.6) G3(-4.8,1.6) G4(-4,1.6) G5(-3.2,1.6) G7(-1.6,1.6) G8(-0.8,1.6) G9(0,1.6) G10(0.8,1.6) G11(1.6,1.6) G13(3.2,1.6) G14(4,1.6) G15(4.8,1.6) G16(5.6,1.6) G17(6.4,1.6) H1(-6.4,0.8) H2(-5.6,0.8) H3(-4.8,0.8) H4(-4,0.8) H5(-3.2,0.8) H7(-1.6,0.8) H8(-0.8,0.8) H9(0,0.8) H10(0.8,0.8) H11(1.6,0.8) H13(3.2,0.8) H14(4,0.8) H15(4.8,0.8) H16(5.6,0.8) H17(6.4,0.8) J1(-6.4,0) J2(-5.6,0) J3(-4.8,0) J4(-4,0) J5(-3.2,0) J7(-1.6,0) J8(-0.8,0) J9(0,0) J10(0.8,0) J11(1.6,0) J13(3.2,0) J14(4,0) J15(4.8,0) J16(5.6,0) J17(6.4,0) K1(-6.4,-0.8) K2(-5.6,-0.8) K3(-4.8,-0.8) K4(-4,-0.8) K5(-3.2,-0.8) K7(-1.6,-0.8) K8(-0.8,-0.8) K9(0,-0.8) K10(0.8,-0.8) K11(1.6,-0.8) K13(3.2,-0.8) K14(4,-0.8) K15(4.8,-0.8) K16(5.6,-0.8) K17(6.4,-0.8) L1(-6.4,-1.6) L2(-5.6,-1.6) L3(-4.8,-1.6) L4(-4,-1.6) L5(-3.2,-1.6) L7(-1.6,-1.6) L8(-0.8,-1.6) L9(0,-1.6) L10(0.8,-1.6) L11(1.6,-1.6) L13(3.2,-1.6) L14(4,-1.6) L15(4.8,-1.6) L16(5.6,-1.6) L17(6.4,-1.6) M1(-6.4,-2.4) M2(-5.6,-2.4) M3(-4.8,-2.4) M4(-4,-2.4) M5(-3.2,-2.4) M13(3.2,-2.4) M14(4,-2.4) M15(4.8,-2.4) M16(5.6,-2.4) M17(6.4,-2.4) N1(-6.4,-3.2) N2(-5.6,-3.2) N3(-4.8,-3.2) N4(-4,-3.2) N5(-3.2,-3.2) N6(-2.4,-3.2) N7(-1.6,-3.2) N8(-0.8,-3.2) N9(0,-3.2) N10(0.8,-3.2) N11(1.6,-3.2) N12(2.4,-3.2) N13(3.2,-3.2) N14(4,-3.2) N15(4.8,-3.2) N16(5.6,-3.2) N17(6.4,-3.2) P1(-6.4,-4) P2(-5.6,-4) P3(-4.8,-4) P4(-4,-4) P5(-3.2,-4) P6(-2.4,-4) P7(-1.6,-4) P8(-0.8,-4) P9(0,-4) P10(0.8,-4) P11(1.6,-4) P12(2.4,-4) P13(3.2,-4) P14(4,-4) P15(4.8,-4) P16(5.6,-4) P17(6.4,-4) R1(-6.4,-4.8) R2(-5.6,-4.8) R3(-4.8,-4.8) R4(-4,-4.8) R5(-3.2,-4.8) R6(-2.4,-4.8) R7(-1.6,-4.8) R8(-0.8,-4.8) R9(0,-4.8) R10(0.8,-4.8) R11(1.6,-4.8) R12(2.4,-4.8) R13(3.2,-4.8) R14(4,-4.8) R15(4.8,-4.8) R16(5.6,-4.8) R17(6.4,-4.8) T1(-6.4,-5.6) T2(-5.6,-5.6) T3(-4.8,-5.6) T4(-4,-5.6) T5(-3.2,-5.6) T6(-2.4,-5.6) T7(-1.6,-5.6) T8(-0.8,-5.6) T9(0,-5.6) T10(0.8,-5.6) T11(1.6,-5.6) T12(2.4,-5.6) T13(3.2,-5.6) T14(4,-5.6) T15(4.8,-5.6) T16(5.6,-5.6) T17(6.4,-5.6) U1(-6.4,-6.4) U2(-5.6,-6.4) U3(-4.8,-6.4) U4(-4,-6.4) U5(-3.2,-6.4) U6(-2.4,-6.4) U7(-1.6,-6.4) U8(-0.8,-6.4) U9(0,-6.4) U10(0.8,-6.4) U11(1.6,-6.4) U12(2.4,-6.4) U13(3.2,-6.4) U14(4,-6.4) U15(4.8,-6.4) U16(5.6,-6.4) U17(6.4,-6.4)
  silkscreen extent -7.65,-7 7,7, body extent -7,-7 7,7, height 1.1
IC_DFN_3x3_10L [mm] "Footprint for LS1205EVD33 (LittleFuse) (24.03.09)"
  rrect25% 0.6x0.25 smd mask+0.038: 1(-1.4,1) 2(-1.4,0.5) 3(-1.4,0) 4(-1.4,-0.5) 5(-1.4,-1) 6(1.4,-1) 7(1.4,-0.5) 8(1.4,0) 9(1.4,0.5) 10(1.4,1)
  rect 1.55x2.35 smd mask+0.038: 11(0,0)
  silkscreen extent -2.07,-1.6 1.6,1.7, body extent -1.55,-1.55 1.55,1.55, height 0.8
IC_TDFN-6 [mm]
  rect 0.35x0.18 smd paste+0 mask+0.038: 1(-0.525,0.4) 2(-0.525,0) 3(-0.525,-0.4) 4(0.525,-0.4) 5(0.525,0) 6(0.525,0.4)
  rect 0.3x0.94 smd paste+0 mask+0.038: 7(0,0)
  silkscreen extent -1.05,-0.6 0.6,0.6, body extent -0.6,-0.6 0.6,0.6, height 0.57
"LED MHT170RGBCT" [mm] "Colorless transparence -30℃~+85℃ Positive post Common anode RGB 120° 0805  Light Emitting Diodes (LED) ROHS"
  rect 1x0.5 smd mask+0.04: 1(-1.05,0.4) 2(1.05,0.4) 3(1.05,-0.4) 4(-1.05,-0.4)
  silkscreen extent -2.25,-0.9 1.85,0.9, body extent -1,-0.62 1,0.62, height 0.9
"LED MHT170RGBCT (BLUE)" [mm] "Colorless transparence -30℃~+85℃ Positive post Common anode RGB 120° 0805  Light Emitting Diodes (LED) ROHS"
  rect 1x0.5 smd mask+0.04: 1(-1.05,0.4) 2(1.05,0.4) 3(1.05,-0.4) 4(-1.05,-0.4)
  silkscreen extent -2.25,-0.9 1.85,0.9, body extent -1,-0.62 1,0.62, height 0.9
"LED MHT170RGBCT (GREEN)" [mm] "Colorless transparence -30℃~+85℃ Positive post Common anode RGB 120° 0805  Light Emitting Diodes (LED) ROHS"
  rect 1x0.5 smd mask+0.04: 1(-1.05,0.4) 2(1.05,0.4) 3(1.05,-0.4) 4(-1.05,-0.4)
  silkscreen extent -2.25,-0.9 1.85,0.9, body extent -1,-0.62 1,0.62, height 0.9
"OSC SMD_2.5x2.0 (SCTF)" [mm] "SMD Oscillator_2.5x2.0 (SCTF)"
  rect 1x0.9 smd: 1(-0.85,-0.65) 2(0.85,-0.65) 3(0.85,0.65) 4(-0.85,0.65)
  silkscreen extent -1.65,-1.9 1.65,1.4, body extent -1.25,-1 1.25,1, height 0.9
"QFN-28 (5x5mm)" [mm] "QFN-28 (5x5mm)"
  rect 0.9x0.25 smd mask+0.04: 1(-2.4,1.5) 2(-2.4,1) 3(-2.4,0.5) 4(-2.4,0) 5(-2.4,-0.5) 6(-2.4,-1) 7(-2.4,-1.5) 15(2.4,-1.5) 16(2.4,-1) 17(2.4,-0.5) 18(2.4,0) 19(2.4,0.5) 20(2.4,1) 21(2.4,1.5)
  rect 0.25x0.9 smd mask+0.04: 8(-1.5,-2.4) 9(-1,-2.4) 10(-0.5,-2.4) 11(0,-2.4) 12(0.5,-2.4) 13(1,-2.4) 14(1.5,-2.4) 22(1.5,2.4) 23(1,2.4) 24(0.5,2.4) 25(0,2.4) 26(-0.5,2.4) 27(-1,2.4) 28(-1.5,2.4)
  rect 3.25x3.25 smd mask+0.04: 29(0,0)
  silkscreen extent -3.22,-2.5 2.5,2.5, body extent -2.5,-2.5 2.5,2.5, height 1
"RES 1005 (0402_inch)" [mm] "Chip Resistor, 2-Leads, Body 1.0x0.5mm, IPC Medium Density"
  rect 0.6x0.64 smd mask+0.038: 1(-0.44,0) 2(0.44,0)
  silkscreen extent -1,-0.51 1,0.51, body extent -0.5,-0.25 0.5,0.25, height 0.35
"RES 1005 (0402_inch)/NC" [mm] "Chip Resistor, 2-Leads, Body 1.0x0.5mm, IPC Medium Density"
  rect 0.6x0.64 smd mask+0.038: 1(-0.44,0) 2(0.44,0)
  silkscreen extent -1,-0.51 1,0.51
"RES 1608 (0603_inch)" [mm] "Chip Resistor, 2-Leads, Body 1.60x0.80mm, IPC Medium Density"
  rect 0.85x0.95 smd: 1(-0.65,0) 2(0.65,0)
  silkscreen extent -1.27,-0.7 1.27,0.7, body extent -0.8,-0.4 0.8,0.4, height 0.45
"RES 1608 (0603_inch)/NC" [mm] "Chip Resistor, 2-Leads, Body 1.60x0.80mm, IPC Medium Density"
  rect 0.85x0.95 smd: 1(-0.65,0) 2(0.65,0)
  silkscreen extent -1.27,-0.7 1.27,0.7
"RES 2012 (0805_inch)" [mm] "Chip Resistor, 2-Leads, Body 2.00x1.25mm, IPC Medium Density"
  rect 1.15x1.35 smd: 1(-0.875,0) 2(0.875,0)
  silkscreen extent -1.7,-0.9 1.7,0.9, body extent -1,-0.62 1,0.63, height 0.6
"RES 2012 (0805_INCH)/NC" [mm] "Chip Resistor, 2-Leads, Body 2.00x1.25mm, IPC Medium Density"
  rect 1.15x1.35 smd: 1(-0.875,0) 2(0.875,0)
  silkscreen extent -1.7,-0.9 1.7,0.9
"SB (Solder-Bridge)" [mm] "SB (Solder-Bridge)"
  rect 0.85x0.95 smd mask+0.038: 1(-0.525,0) 2(0.525,0)
  silkscreen extent -1.12,-0.65 1.12,0.65
"SOIC-8 R8 (ANALOG DEV)" [mm] "SOIC, 8-Leads, Body 4.90x3.90mm, Pitch 1.27mm, IPC Medium Density"
  oval 1.45x0.6 smd: 1(-2.725,1.905) 2(-2.725,0.635) 3(-2.725,-0.635) 4(-2.725,-1.905) 5(2.725,-1.905) 6(2.725,-0.635) 7(2.725,0.635) 8(2.725,1.905)
  silkscreen extent -2.85,-2.5 1.6,2.88, body extent -3.01,-2.45 3.01,2.45, height 1.5
"SOT 23-3 (DIODES INCORPORATED)" [mm] "SOT23, 3-Leads, Body 2.90x2.40mm, Pitch 0.95mm, IPC Medium Density"
  rect 0.9x0.8 smd: 1(-1,0.95) 2(-1,-0.95) 3(1,0)
  silkscreen extent -0.7,-1.45 0.7,1.45, body extent -1.41,-1.45 1.41,1.45, height 1.5
"SOT 223-3 (DIODES INCORPORATED)" [mm] "SOT223, 4-Leads, Body 6.50x7.00mm (avg), Pitch 2.30mm, IPC Medium Density"
  rect 1.6x1.2 smd: 1(-3.2,2.3) 2(-3.2,0) 3(-3.2,-2.3)
  rect 1.6x3.3 smd: 4(3.2,0)
  silkscreen extent -3.27,-3.35 1.85,3.72, body extent -3.52,-3.25 3.5,3.25, height 1.8
SW_TS-1088-AR02016 [mm] "NO 50mA 100MΩ 100000 Times 12V 160gf@±50gf Brick nogging SPST SMD  Tactile Switches ROHS"
  rrect25% 1.35x1.8 smd mask+0.038: 1(-2.075,0) 2(2.075,0)
  silkscreen extent -2,-1.45 2,1.45, body extent -2.5,-1.5 2.5,1.5, height 1.93
"TSSOP-8_PW (TI)" [mm] "TSSOP, 8-Leads, Body 3.00x4.40mm, Pitch 0.65mm, IPC Medium Density"
  oval 1.5x0.45 smd: 1(-2.9,0.975) 2(-2.9,0.325) 3(-2.9,-0.325) 4(-2.9,-0.975) 5(2.9,-0.975) 6(2.9,-0.325) 7(2.9,0.325) 8(2.9,0.975)
  silkscreen extent -3.07,-1.55 1.85,1.87, body extent -3.21,-1.5 3.21,1.5, height 1.2